# Allegro board pc051b_toplevel_177.brd (continued)
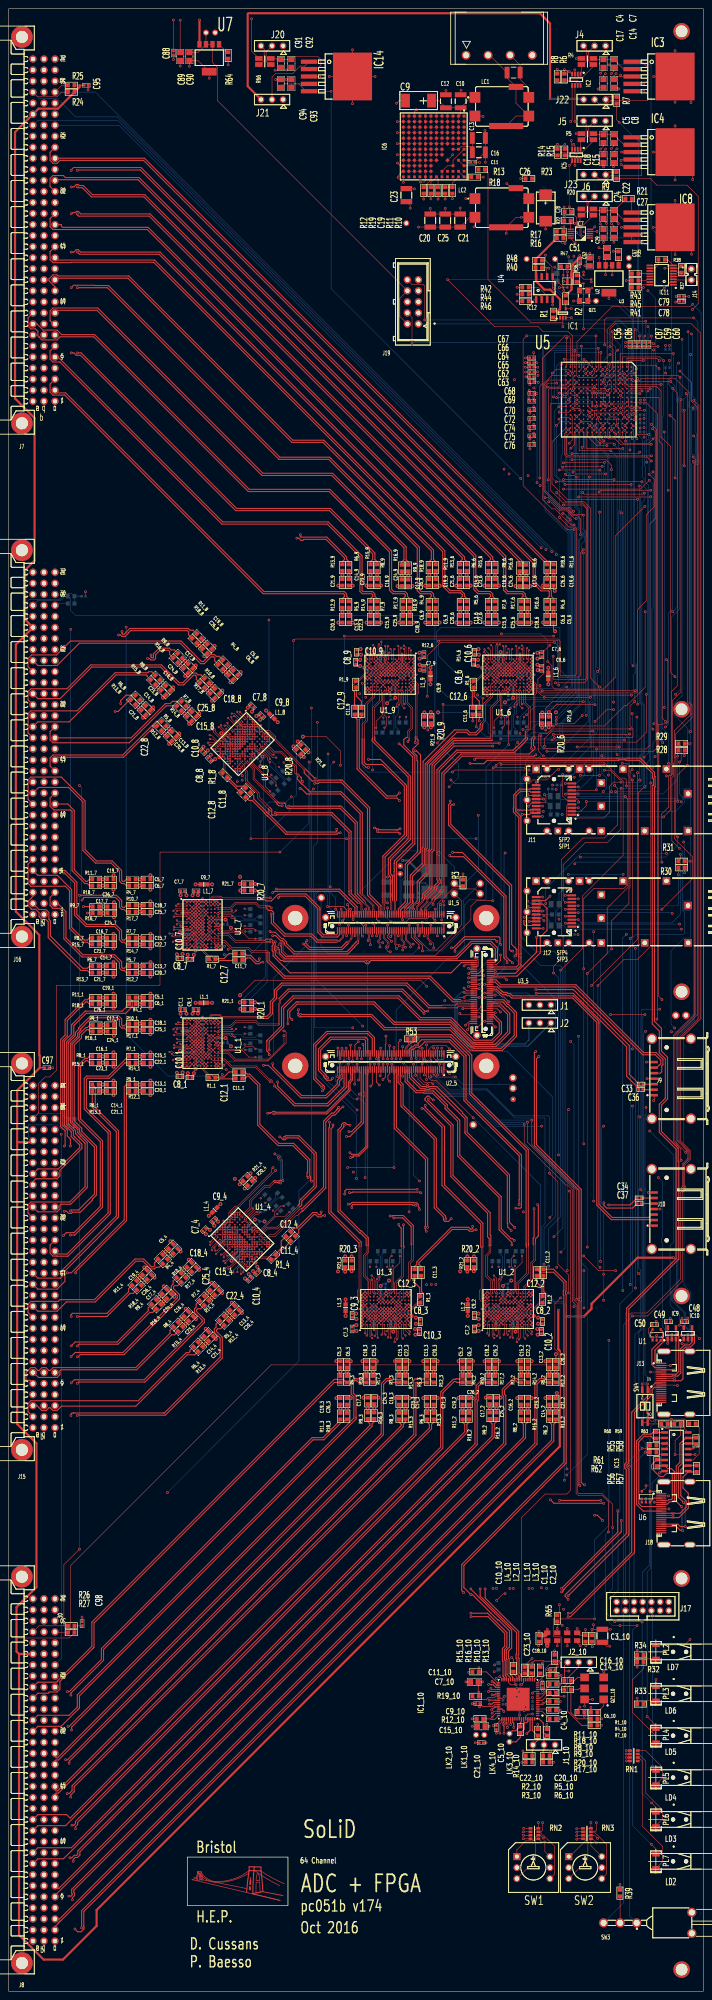
[diagram p0: board, top side]
## Routing (per net, layer and track width the routed paths; a pad name or vN(x,y) marks a point on that pad's centre or on a via; arc(x,y) is an arc through that point) (continued)
  TOP w0.25: C18_4.1 v3(41.5,168.33) ; C24_6.1 v3(116.75,323.35) ; C19_7.1 v3(24.15,256.8) ; C17_3.1 v3(81.75,136.6) ; C13_8.1 v3(39.28,289.4) ; C17_2.1 v3(109.9,136.6) ; C19_3.1 v3(75.5,136.5) ; v3(94.65,305.25) 95,304.9 C9_9.1 ; C8_9.1 80.9,306.3 v3(80.95,306.35) ; v3(41.25,238.5) 41.3,238.45 C8_7.1 ; C10_6.1 107.95,308.6 v3(108.2,308.85) ; C21_1.1 v3(24.15,206.25) ; C23_8.1 v3(35.54,297.68) ; C25_4.1 v3(43.83,166) ; C8_1.1 41.3,211.2 v3(41.25,211.25) ; C9_6.1 122.15,304.9 v3(121.8,305.25) ; C6_2.1 v3(106.95,145) ; C23_6.1 v3(109.6,323.45) ; C21_6.1 v3(103.1,323.45) ; C15_4.1 v3(46.8,163.03) ; C25_3.1 v3(84.8,145) ; C25_2.1 v3(112.95,145) ; v3(47.37,176.18) 47.37,176.68 C9_4.1 ; C16_2.1 v3(117.15,136.5) ; C8_3.1 93.85,153.65 v3(93.8,153.6) ; C6_1.1 v3(32.65,226.25) ; v3(42.35,224.95) 42.7,225.3 C9_1.1 ; C23_9.1 v3(82.45,323.45) ; v3(54.44,164.02) 54.79,164.02 C10_4.1 ; C18_2.1 v3(109.65,145) ; C25_8.1 v3(46.85,296.97) ; C16_6.1 v3(112.9,323.45) ; C25_1.1 v3(32.65,220.25) ; C22_2.1 v3(120.45,145) ; C15_8.1 v3(43.88,294) ; C7_8.1 v3(55.09,295.38) ; C18_9.1 v3(93.25,314.95) ; C13_1.1 v3(32.65,209.55) ; C24_2.1 v3(113.3,136.6) ; C15_3.1 v3(89,145) ; C24_1.1 v3(24.25,219.9) ; C6_8.1 v3(51.09,301.21) ; C14_3.1 v3(95.5,136.5) ; C22_8.1 v3(41.55,291.67) ; C5_8.1 v3(53.43,303.55) ; C19_6.1 125.5,322.55 v3(125.8,322.25) ; C20_4.1 v3(53.73,156.1) ; C19_4.1 v3(31.24,166.57) ; C20_7.1 v3(32.65,233.5) ; C17_9.1 v3(93,323.35) ; v3(108.25,154.7) 107.9,155.05 C9_2.1 ; C5_9.1 v3(99.25,314.95) ; C6_3.1 v3(78.8,145) ; 57.02,165.04 56.35,165.72 v3(56.27,165.72) ; C19_2.1 v3(103.65,136.5) ; C14_6.1 v3(106.4,323.45) ; C26_7.1 v3(24.15,253.5) ; C6_6.1 v3(123.1,314.95) ; C16_9.1 v3(85.75,323.45) ; C18_1.1 v3(32.65,223.55) ; C13_7.1 v3(32.65,236.8) ; C18_7.1 v3(32.65,250.8) ; C5_4.1 v3(37.25,172.58) ; C19_8.1 v3(47.42,309.56) ; C14_9.1 v3(79.25,323.45) ; C15_9.1 v3(85.75,314.95) ; C17_6.1 v3(120.15,323.35) ; v3(42.35,252.2) 42.7,252.55 C9_7.1 ; C5_3.1 v3(75.5,145) ; C26_9.1 v3(95.95,323.45) ; C26_8.1 v3(45.08,307.22) ; C24_9.1 v3(89.6,323.35) ; C26_6.1 v3(123.1,323.45) ; C14_1.1 v3(24.15,209.55) ; C8_2.1 122,153.65 v3(121.95,153.6) ; C5_6.1 125.5,313.3 v3(125.85,312.95) ; C21_9.1 v3(75.95,323.45) ; C22_6.1 v3(109.6,314.95) ; C6_7.1 v3(32.65,253.5) ; C22_7.1 v3(32.65,240) ; C16_3.1 v3(89,136.5) ; C16_1.1 v3(24.15,216.05) ; C22_9.1 v3(82.45,314.95) ; v3(108.1,306.35) 108.05,306.3 C8_6.1 ; C14_2.1 v3(123.65,136.5) ; v3(126.25,137.65) 126.25,136.7 C21_2.1 ; v3(46.57,284.53) 46.57,284.45 C8_8.1 ; v3(38.75,211.35) 39,211.1 C10_1.1 ; C17_7.1 v3(24.25,250.55) ; C95.1 v1(18.3,437.5) ; C10_9.1 80.8,308.6 v3(81.05,308.85) ; C5_7.1 v3(32.65,256.8) ; v3(121.85,151.1) 122.1,151.35 C10_2.1 ; C9_3.1 79.75,155.05 v3(80.1,154.7) ; R3.2 v1(104.65,257.1) ; C19_1.1 v3(24.15,229.55) ; C13_4.1 v3(51.4,158.43) ; C23_3.1 v3(92.3,136.5) ; C13_6.1 v3(106.4,314.95) ; C7_3.1 v3(80.1,151.95) ; C7_9.1 v3(94.65,308) ; 37.23,299.37 v3(37.87,300.01) ; C6_9.1 v3(95.95,314.95) ; C20_6.1 v3(103.1,314.95) ; C19_9.1 v3(99.25,323.45) ; C24_3.1 v3(85.15,136.6) ; C26_1.1 v3(24.15,226.25) ; C15_7.1 v3(32.65,243.3) ; C14_4.1 v3(45.39,152.42) ; C26_3.1 v3(78.8,136.5) ; C5_1.1 v3(32.65,229.55) ; C13_2.1 v3(123.65,145) ; C14_8.1 v3(33.27,295.41) ; C25_9.1 v3(89.95,314.95) ; v3(93.7,151.1) 93.95,151.35 C10_3.1 ; C13_3.1 v3(95.5,145) ; v3(44.87,286.36) 44.87,286.01 C10_8.1 ; C20_2.1 v3(126.05,146.6) ; C20_8.1 v3(36.95,287.07) ; C26_2.1 v3(106.95,136.5) ; v3(57.03,293.43) 57.53,293.43 C9_8.1 ; C25_6.1 v3(117.1,314.95) ; C21_4.1 v3(47.72,150.09) ; C7_7.1 v3(39.6,252.2) ; C22_1.1 v3(32.65,212.75) ; C22_3.1 v3(92.3,145) ; C14_7.1 v3(24.15,236.8) ; v3(38.75,238.6) 39,238.35 C10_7.1 ; C15_1.1 v3(32.65,216.05) ; C20_1.1 v3(32.65,206.25) ; C24_7.1 v3(24.25,247.15) ; C97.1 v1(10.1,212.5) ; C22_4.1 v3(49.13,160.7) ; C25_7.1 v3(32.65,247.5) ; C7_4.1 v3(45.42,174.24) ; C21_3.1 v3(98.8,136.5) ; C15_2.1 v3(117.15,145) ; C5_2.1 v3(103.65,145) ; C18_6.1 v3(120.4,314.95) ; C18_3.1 v3(81.5,145) ; C18_8.1 v3(49.18,299.3) ; C7_2.1 v3(108.25,151.95) ; C23_2.1 v3(120.45,136.5) ; C7_6.1 v3(121.8,308) ; C21_8.1 v3(30.94,293.08) ; C16_7.1 v3(24.15,243.3) ; C15_6.1 v3(112.9,314.95) ; C16_4.1 v3(40.79,157.02) ; C13_9.1 v3(79.25,314.95) ; C17_1.1 v3(24.25,223.3) ; C20_9.1 v3(75.95,314.95) ; C23_7.1 v3(24.15,240) ; C26_4.1 v3(33.58,164.23) ; C7_1.1 v3(39.6,224.95) ; C20_3.1 v3(98.8,145) ; C23_1.1 v3(24.15,212.75) ; C21_7.1 v3(24.15,233.5) ; C23_4.1 v3(43.12,154.69)
  L2 w0.13: 118.4,248.38 SFP4.2 ; SFP4.2 119.4,247.38 ; SFP4.2 119.4,249.38 ; SFP4.2 120.4,248.38 ; LK21.1 48.36,450.7 ; LK21.1 46.74,450.7 ; LK21.1 47.55,449.89 ; LK21.1 47.55,451.51 ; 8.13,400.41 J7.B15 ; J7.B15 8.13,402.47 ; J7.B15 9.16,401.44 ; J7.B15 7.1,401.44 ; 7.1,167.78 J15.B16 ; J15.B16 9.16,167.78 ; J15.B16 8.13,168.81 ; J15.B16 8.13,166.75 ; 5.59,307.71 J16.A25 ; J16.A25 6.62,308.74 ; J16.A25 5.59,309.77 ; J16.A25 4.56,308.74 ; 5.59,174.37 J15.A19 ; J15.A19 5.59,176.43 ; J15.A19 4.56,175.4 ; J15.A19 6.62,175.4 ; J7.B19 8.13,412.63 ; J7.B19 7.1,411.6 ; J7.B19 8.13,410.57 ; J7.B19 9.16,411.6 ; J15.B21 8.13,181.51 ; J15.B21 8.13,179.45 ; J15.B21 9.16,180.48 ; J15.B21 7.1,180.48 ; 5.59,86.75 J8.A31 ; J8.A31 6.62,87.78 ; J8.A31 5.59,88.81 ; J8.A31 4.56,87.78 ; J16.B13 8.13,279.29 ; J16.B13 8.13,277.23 ; J16.B13 9.16,278.26 ; J16.B13 7.1,278.26 ; J7.A30 5.59,440.57 ; J7.A30 6.62,439.54 ; J7.A30 4.56,439.54 ; J7.A30 5.59,438.51 ; 8.13,199.77 J15.B29 ; J15.B29 9.16,200.8 ; J15.B29 7.1,200.8 ; J15.B29 8.13,201.83 ; 7.1,39.52 J8.B12 ; J8.B12 8.13,38.49 ; J8.B12 8.13,40.55 ; J8.B12 9.16,39.52 ; LK18.1 119.3,399.41 ; LK18.1 119.3,397.79 ; LK18.1 118.49,398.6 ; LK18.1 120.11,398.6 ; 8.13,43.57 J8.B14 ; J8.B14 7.1,44.6 ; J8.B14 9.16,44.6 ; J8.B14 8.13,45.63 ; J7.B29 8.13,438.03 ; J7.B29 8.13,435.97 ; J7.B29 9.16,437 ; J7.B29 7.1,437 ; J8.B1 9.16,11.58 ; J8.B1 8.13,12.61 ; J8.B1 8.13,10.55 ; J8.B1 7.1,11.58 ; SFP1.5 151.5,282.3 ; SFP1.5 152.55,281.25 ; SFP1.5 151.5,280.2 ; SFP1.5 150.45,281.25 ; J8.B20 8.13,60.87 ; J8.B20 7.1,59.84 ; J8.B20 9.16,59.84 ; J8.B20 8.13,58.81 ; SFP2.3 119.4,279.93 ; SFP2.3 120.4,278.93 ; SFP2.3 119.4,277.93 ; SFP2.3 118.4,278.93 ; J15.C7 11.7,144.92 ; J15.C7 10.67,143.89 ; J15.C7 9.64,144.92 ; J15.C7 10.67,145.95 ; 10.67,402.95 J7.C16 ; J7.C16 10.67,405.01 ; J7.C16 11.7,403.98 ; J7.C16 9.64,403.98 ; J15.B1 8.13,130.71 ; J15.B1 7.1,129.68 ; J15.B1 9.16,129.68 ; J15.B1 8.13,128.65 ; 5.59,204.85 J15.A31 ; J15.A31 4.56,205.88 ; J15.A31 5.59,206.91 ; J15.A31 6.62,205.88 ; J15.A1 5.59,130.71 ; J15.A1 6.62,129.68 ; J15.A1 5.59,128.65 ; J15.A1 4.56,129.68 ; SFP1.14 125,267 ; SFP1.14 124,268 ; SFP1.14 124,266 ; SFP1.14 123,267 ; J15.A7 6.62,144.92 ; J15.A7 5.59,145.95 ; J15.A7 4.56,144.92 ; J15.A7 5.59,143.89 ; J15.B4 9.16,137.3 ; J15.B4 7.1,137.3 ; J15.B4 8.13,136.27 ; J15.B4 8.13,138.33 ; J8.B17 9.16,52.22 ; J8.B17 7.1,52.22 ; J8.B17 8.13,53.25 ; J8.B17 8.13,51.19 ; 9.64,381.12 J7.C7 ; J7.C7 10.67,382.15 ; J7.C7 10.67,380.09 ; J7.C7 11.7,381.12 ; 9.64,49.68 J8.C16 ; J8.C16 10.67,48.65 ; J8.C16 11.7,49.68 ; J8.C16 10.67,50.71 ; J16.B21 8.13,299.61 ; J16.B21 8.13,297.55 ; J16.B21 9.16,298.58 ; J16.B21 7.1,298.58 ; 9.64,278.26 J16.C13 ; J16.C13 10.67,277.23 ; J16.C13 10.67,279.29 ; J16.C13 11.7,278.26 ; 7.1,80.16 J8.B28 ; J8.B28 9.16,80.16 ; J8.B28 8.13,81.19 ; J8.B28 8.13,79.13 ; J15.C31 11.7,205.88 ; J15.C31 10.67,206.91 ; J15.C31 9.64,205.88 ; J15.C31 10.67,204.85 ; J8.A10 5.59,35.47 ; J8.A10 6.62,34.44 ; J8.A10 4.56,34.44 ; J8.A10 5.59,33.41 ; SFP3.2 147.55,241.25 ; SFP3.2 145.45,241.25 ; SFP3.2 146.5,242.3 ; SFP3.2 146.5,240.2 ; 9.64,152.54 J15.C10 ; J15.C10 10.67,153.57 ; J15.C10 11.7,152.54 ; J15.C10 10.67,151.51 ; 8.13,284.85 J16.B16 ; J16.B16 7.1,285.88 ; J16.B16 9.16,285.88 ; J16.B16 8.13,286.91 ; J10.10 158.52,170.8 ; J10.10 155.76,170.8 ; J10.10 157.14,172.18 ; J10.10 157.14,169.42 ; J16.B27 8.13,314.85 ; J16.B27 8.13,312.79 ; J16.B27 7.1,313.82 ; J16.B27 9.16,313.82 ; 150.93,116.37 J18.20 ; J18.20 150.93,118.13 ; J18.20 149.15,117.25 ; J18.20 152.71,117.25 ; 156.5,240.2 SFP3.1 ; SFP3.1 156.5,242.3 ; SFP3.1 157.55,241.25 ; SFP3.1 155.45,241.25 ; 8.13,272.15 J16.B11 ; J16.B11 7.1,273.18 ; J16.B11 8.13,274.21 ; J16.B11 9.16,273.18 ; J16.A28 5.59,317.39 ; J16.A28 4.56,316.36 ; J16.A28 5.59,315.33 ; J16.A28 6.62,316.36 ; J8.A1 5.59,12.61 ; J8.A1 5.59,10.55 ; J8.A1 6.62,11.58 ; J8.A1 4.56,11.58 ; J18.23 158.38,102.75 ; J18.23 156.9,101.87 ; J18.23 155.42,102.75 ; J18.23 156.9,103.63 ; 8.13,56.27 J8.B19 ; J8.B19 7.1,57.3 ; J8.B19 8.13,58.33 ; J8.B19 9.16,57.3 ; 146.76,200.8 J9.8 ; J9.8 148.14,199.42 ; J9.8 148.14,202.18 ; J9.8 149.52,200.8 ; 9.64,426.84 J7.C25 ; J7.C25 11.7,426.84 ; J7.C25 10.67,425.81 ; J7.C25 10.67,427.87 ; J9.11 158.52,219.2 ; J9.11 157.14,220.58 ; J9.11 155.76,219.2 ; J9.11 157.14,217.82 ; J8.C7 11.7,26.82 ; J8.C7 10.67,27.85 ; J8.C7 9.64,26.82 ; J8.C7 10.67,25.79 ; J8.B11 9.16,36.98 ; J8.B11 8.13,35.95 ; J8.B11 7.1,36.98 ; J8.B11 8.13,38.01 ; LK19.1 107,200.39 ; LK19.1 107,198.41 ; LK19.1 106.01,199.4 ; LK19.1 107.99,199.4 ; J7.B31 8.13,443.11 ; J7.B31 9.16,442.08 ; J7.B31 7.1,442.08 ; J7.B31 8.13,441.05 ; J7.B12 8.13,394.85 ; J7.B12 9.16,393.82 ; J7.B12 8.13,392.79 ; J7.B12 7.1,393.82 ; J7.B6 9.16,378.58 ; J7.B6 8.13,377.55 ; J7.B6 8.13,379.61 ; J7.B6 7.1,378.58 ; J7.C30 10.67,440.57 ; J7.C30 10.67,438.51 ; J7.C30 11.7,439.54 ; J7.C30 9.64,439.54 ; 10.67,189.61 J15.C25 ; J15.C25 10.67,191.67 ; J15.C25 9.64,190.64 ; J15.C25 11.7,190.64 ; 5.59,197.23 J15.A28 ; J15.A28 5.59,199.29 ; J15.A28 4.56,198.26 ; J15.A28 6.62,198.26 ; LK2_5.1 113.1,212.95 ; LK2_5.1 106.9,212.95 ; LK2_5.1 110,209.85 ; LK2_5.1 110,216.05 ; 5.59,79.13 J8.A28 ; J8.A28 4.56,80.16 ; J8.A28 6.62,80.16 ; J8.A28 5.59,81.19 ; J15.C4 11.7,137.3 ; J15.C4 10.67,138.33 ; J15.C4 9.64,137.3 ; J15.C4 10.67,136.27 ; J15.C28 10.67,199.29 ; J15.C28 11.7,198.26 ; J15.C28 10.67,197.23 ; J15.C28 9.64,198.26 ; J7.A7 5.59,382.15 ; J7.A7 6.62,381.12 ; J7.A7 5.59,380.09 ; J7.A7 4.56,381.12 ; 7.1,47.14 J8.B15 ; J8.B15 9.16,47.14 ; J8.B15 8.13,48.17 ; J8.B15 8.13,46.11 ; J15.B30 9.16,203.34 ; J15.B30 8.13,202.31 ; J15.B30 8.13,204.37 ; J15.B30 7.1,203.34 ; 8.13,204.85 J15.B31 ; J15.B31 9.16,205.88 ; J15.B31 8.13,206.91 ; J15.B31 7.1,205.88 ; J15.B28 8.13,199.29 ; J15.B28 9.16,198.26 ; J15.B28 8.13,197.23 ; J15.B28 7.1,198.26 ; 148.14,169.42 J10.8 ; J10.8 149.52,170.8 ; J10.8 148.14,172.18 ; J10.8 146.76,170.8 ; 157.14,187.82 J10.11 ; J10.11 158.52,189.2 ; J10.11 155.76,189.2 ; J10.11 157.14,190.58 ; 4.56,301.12 J16.A22 ; J16.A22 6.62,301.12 ; J16.A22 5.59,302.15 ; J16.A22 5.59,300.09 ; 10.67,10.55 J8.C1 ; J8.C1 9.64,11.58 ; J8.C1 11.7,11.58 ; J8.C1 10.67,12.61 ; J7.C28 11.7,434.46 ; J7.C28 10.67,433.43 ; J7.C28 9.64,434.46 ; J7.C28 10.67,435.49 ; J8.C31 11.7,87.78 ; J8.C31 10.67,88.81 ; J8.C31 9.64,87.78 ; J8.C31 10.67,86.75 ; J7.A13 5.59,397.39 ; J7.A13 4.56,396.36 ; J7.A13 6.62,396.36 ; J7.A13 5.59,395.33 ; 7.1,157.62 J15.B12 ; J15.B12 8.13,156.59 ; J15.B12 8.13,158.65 ; J15.B12 9.16,157.62 ; 130.45,255.5 SFP3.7 ; SFP3.7 132.55,255.5 ; SFP3.7 131.5,256.55 ; SFP3.7 131.5,254.45 ; J8.A22 5.59,65.95 ; J8.A22 5.59,63.89 ; J8.A22 4.56,64.92 ; J8.A22 6.62,64.92 ; 8.13,428.35 J7.B26 ; J7.B26 9.16,429.38 ; J7.B26 8.13,430.41 ; J7.B26 7.1,429.38 ; J7.B27 8.13,432.95 ; J7.B27 7.1,431.92 ; J7.B27 8.13,430.89 ; J7.B27 9.16,431.92 ; J7.C13 11.7,396.36 ; J7.C13 10.67,397.39 ; J7.C13 9.64,396.36 ; J7.C13 10.67,395.33 ; 125.85,55.76 J1_10.1 ; J1_10.1 125.85,57.64 ; J1_10.1 124.91,56.7 ; J1_10.1 126.79,56.7 ; J16.B20 9.16,296.04 ; J16.B20 8.13,297.07 ; J16.B20 8.13,295.01 ; J16.B20 7.1,296.04 ; 10.67,315.33 J16.C28 ; J16.C28 10.67,317.39 ; J16.C28 9.64,316.36 ; J16.C28 11.7,316.36 ; 7.1,64.92 J8.B22 ; J8.B22 8.13,63.89 ; J8.B22 8.13,65.95 ; J8.B22 9.16,64.92 ; 8.13,322.95 J16.B31 ; J16.B31 9.16,323.98 ; J16.B31 8.13,325.01 ; J16.B31 7.1,323.98 ; J15.B11 8.13,156.11 ; J15.B11 8.13,154.05 ; J15.B11 9.16,155.08 ; J15.B11 7.1,155.08 ; 8.13,420.73 J7.B23 ; J7.B23 7.1,421.76 ; J7.B23 9.16,421.76 ; J7.B23 8.13,422.79 ; 8.13,28.33 J8.B8 ; J8.B8 7.1,29.36 ; J8.B8 9.16,29.36 ; J8.B8 8.13,30.39 ; J8.C30 11.7,85.24 ; J8.C30 10.67,84.21 ; J8.C30 9.64,85.24 ; J8.C30 10.67,86.27 ; J15.C13 11.7,160.16 ; J15.C13 9.64,160.16 ; J15.C13 10.67,161.19 ; J15.C13 10.67,159.13 ; 156.5,265.95 SFP1.1 ; SFP1.1 157.55,267 ; SFP1.1 155.45,267 ; SFP1.1 156.5,268.05 ; 9.64,129.68 J15.C1 ; J15.C1 11.7,129.68 ; J15.C1 10.67,128.65 ; J15.C1 10.67,130.71 ; J8.A13 6.62,42.06 ; J8.A13 4.56,42.06 ; J8.A13 5.59,43.09 ; J8.A13 5.59,41.03 ; 106.9,246.95 LK4_5.1 ; LK4_5.1 110,250.05 ; LK4_5.1 113.1,246.95 ; LK4_5.1 110,243.85 ; 8.13,181.99 J15.B22 ; J15.B22 8.13,184.05 ; J15.B22 7.1,183.02 ; J15.B22 9.16,183.02 ; LK9.1 154.64,224.55 ; LK9.1 153.65,225.54 ; LK9.1 153.65,223.56 ; LK9.1 152.66,224.55 ; J2.2 122.36,223.74 ; J2.2 123.3,222.8 ; J2.2 122.36,221.86 ; J2.2 121.42,222.8 ; 156.9,131.87 J13.23 ; J13.23 158.38,132.75 ; J13.23 155.42,132.75 ; J13.23 156.9,133.63 ; SFP1.15 133.7,282.25 ; SFP1.15 132.7,281.25 ; SFP1.15 134.7,281.25 ; SFP1.15 133.7,280.25 ; J16.B23 9.16,303.66 ; J16.B23 8.13,302.63 ; J16.B23 8.13,304.69 ; J16.B23 7.1,303.66 ; 10.67,269.61 J16.C10 ; J16.C10 11.7,270.64 ; J16.C10 10.67,271.67 ; J16.C10 9.64,270.64 ; LK2_10.1 108.46,59 ; LK2_10.1 106.84,59 ; LK2_10.1 107.65,59.81 ; LK2_10.1 107.65,58.19 ; 4.56,263.02 J16.A7 ; J16.A7 6.62,263.02 ; J16.A7 5.59,261.99 ; J16.A7 5.59,264.05 ; 7.1,293.5 J16.B19 ; J16.B19 8.13,292.47 ; J16.B19 9.16,293.5 ; J16.B19 8.13,294.53 ; 4.56,434.46 J7.A28 ; J7.A28 5.59,433.43 ; J7.A28 6.62,434.46 ; J7.A28 5.59,435.49 ; J16.A13 5.59,279.29 ; J16.A13 5.59,277.23 ; J16.A13 4.56,278.26 ; J16.A13 6.62,278.26 ; 9.64,34.44 J8.C10 ; J8.C10 11.7,34.44 ; J8.C10 10.67,33.41 ; J8.C10 10.67,35.47 ; J7.A19 6.62,411.6 ; J7.A19 4.56,411.6 ; J7.A19 5.59,410.57 ; J7.A19 5.59,412.63 ; 7.1,373.5 J7.B4 ; J7.B4 8.13,374.53 ; J7.B4 9.16,373.5 ; J7.B4 8.13,372.47 ; 9.64,175.4 J15.C19 ; J15.C19 10.67,176.43 ; J15.C19 10.67,174.37 ; J15.C19 11.7,175.4 ; 7.1,301.12 J16.B22 ; J16.B22 9.16,301.12 ; J16.B22 8.13,300.09 ; J16.B22 8.13,302.15 ; 10.67,418.19 J7.C22 ; J7.C22 9.64,419.22 ; J7.C22 10.67,420.25 ; J7.C22 11.7,419.22 ; 7.1,383.66 J7.B8 ; J7.B8 9.16,383.66 ; J7.B8 8.13,382.63 ; J7.B8 8.13,384.69 ; J16.B24 8.13,307.23 ; J16.B24 9.16,306.2 ; J16.B24 8.13,305.17 ; J16.B24 7.1,306.2 ; 135.45,241.25 SFP3.3 ; SFP3.3 136.5,242.3 ; SFP3.3 136.5,240.2 ; SFP3.3 137.55,241.25 ; J7.B32 8.13,445.65 ; J7.B32 7.1,444.62 ; J7.B32 9.16,444.62 ; J7.B32 8.13,443.59 ; 8.13,274.69 J16.B12 ; J16.B12 9.16,275.72 ; J16.B12 7.1,275.72 ; J16.B12 8.13,276.75 ; 10.67,372.47 J7.C4 ; J7.C4 11.7,373.5 ; J7.C4 9.64,373.5 ; J7.C4 10.67,374.53 ; J7.B5 9.16,376.04 ; J7.B5 7.1,376.04 ; J7.B5 8.13,375.01 ; J7.B5 8.13,377.07 ; 121.42,226.95 J1.2 ; J1.2 122.36,226.01 ; J1.2 123.3,226.95 ; J1.2 122.36,227.89 ; 7.1,270.64 J16.B10 ; J16.B10 9.16,270.64 ; J16.B10 8.13,269.61 ; J16.B10 8.13,271.67 ; 124,240.25 SFP3.14 ; SFP3.14 125,241.25 ; SFP3.14 124,242.25 ; SFP3.14 123,241.25 ; J15.B24 9.16,188.1 ; J15.B24 7.1,188.1 ; J15.B24 8.13,187.07 ; J15.B24 8.13,189.13 ; 8.13,131.19 J15.B2 ; J15.B2 8.13,133.25 ; J15.B2 7.1,132.22 ; J15.B2 9.16,132.22 ; 118.4,274.13 SFP2.2 ; SFP2.2 119.4,273.13 ; SFP2.2 119.4,275.13 ; SFP2.2 120.4,274.13 ; 9.64,308.74 J16.C25 ; J16.C25 11.7,308.74 ; J16.C25 10.67,309.77 ; J16.C25 10.67,307.71 ; 8.13,13.09 J8.B2 ; J8.B2 7.1,14.12 ; J8.B2 8.13,15.15 ; J8.B2 9.16,14.12 ; 7.1,439.54 J7.B30 ; J7.B30 8.13,438.51 ; J7.B30 9.16,439.54 ; J7.B30 8.13,440.57 ; SFP1.9 157.55,275.58 ; SFP1.9 156.5,274.53 ; SFP1.9 156.5,276.63 ; SFP1.9 155.45,275.58 ; J8.B18 8.13,55.79 ; J8.B18 8.13,53.73 ; J8.B18 7.1,54.76 ; J8.B18 9.16,54.76 ; J16.B18 8.13,291.99 ; J16.B18 7.1,290.96 ; J16.B18 9.16,290.96 ; J16.B18 8.13,289.93 ; J7.B10 9.16,388.74 ; J7.B10 7.1,388.74 ; J7.B10 8.13,387.71 ; J7.B10 8.13,389.77 ; J16.B14 8.13,281.83 ; J16.B14 7.1,280.8 ; J16.B14 9.16,280.8 ; J16.B14 8.13,279.77 ; J2_10.1 134.79,75.7 ; J2_10.1 133.85,76.64 ; J2_10.1 133.85,74.76 ; J2_10.1 132.91,75.7 ; 7.1,19.2 J8.B4 ; J8.B4 8.13,18.17 ; J8.B4 9.16,19.2 ; J8.B4 8.13,20.23 ; J5.1 138.44,430.35 ; J5.1 137.5,429.41 ; J5.1 136.56,430.35 ; J5.1 137.5,431.29 ; 150.93,101.87 J18.21 ; J18.21 152.71,102.75 ; J18.21 150.93,103.63 ; J18.21 149.15,102.75 ; J16.A1 5.59,248.81 ; J16.A1 4.56,247.78 ; J16.A1 6.62,247.78 ; J16.A1 5.59,246.75 ; 7.1,368.42 J7.B2 ; J7.B2 8.13,367.39 ; J7.B2 8.13,369.45 ; J7.B2 9.16,368.42 ; 5.59,441.05 J7.A31 ; J7.A31 6.62,442.08 ; J7.A31 4.56,442.08 ; J7.A31 5.59,443.11 ; J6.1 137.5,413.94 ; J6.1 136.56,413 ; J6.1 138.44,413 ; J6.1 137.5,412.06 ; J7.B9 9.16,386.2 ; J7.B9 7.1,386.2 ; J7.B9 8.13,387.23 ; J7.B9 8.13,385.17 ; J8.C22 10.67,65.95 ; J8.C22 9.64,64.92 ; J8.C22 11.7,64.92 ; J8.C22 10.67,63.89 ; 10.67,410.57 J7.C19 ; J7.C19 10.67,412.63 ; J7.C19 11.7,411.6 ; J7.C19 9.64,411.6 ; J8.A30 6.62,85.24 ; J8.A30 5.59,86.27 ; J8.A30 5.59,84.21 ; J8.A30 4.56,85.24 ; SFP3.11 137.55,252.33 ; SFP3.11 136.5,253.38 ; SFP3.11 136.5,251.28 ; SFP3.11 135.45,252.33 ; J7.C1 11.7,365.88 ; J7.C1 10.67,366.91 ; J7.C1 10.67,364.85 ; J7.C1 9.64,365.88 ; 8.13,246.75 J16.B1 ; J16.B1 7.1,247.78 ; J16.B1 8.13,248.81 ; J16.B1 9.16,247.78 ; J8.A4 5.59,20.23 ; J8.A4 5.59,18.17 ; J8.A4 4.56,19.2 ; J8.A4 6.62,19.2 ; J16.A31 6.62,323.98 ; J16.A31 5.59,322.95 ; J16.A31 4.56,323.98 ; J16.A31 5.59,325.01 ; J7.B16 8.13,405.01 ; J7.B16 7.1,403.98 ; J7.B16 8.13,402.95 ; J7.B16 9.16,403.98 ; J7.B28 8.13,435.49 ; J7.B28 8.13,433.43 ; J7.B28 9.16,434.46 ; J7.B28 7.1,434.46 ; 62.9,246.95 LK3_5.1 ; LK3_5.1 66,243.85 ; LK3_5.1 69.1,246.95 ; LK3_5.1 66,250.05 ; 129,266 SFP1.13 ; SFP1.13 129,268 ; SFP1.13 128,267 ; SFP1.13 130,267 ; 119.4,268.33 SFP2.1 ; SFP2.1 118.4,269.33 ; SFP2.1 120.4,269.33 ; SFP2.1 119.4,270.33 ; 8.13,171.83 J15.B18 ; J15.B18 9.16,172.86 ; J15.B18 7.1,172.86 ; J15.B18 8.13,173.89 ; 145.45,267 SFP1.2 ; SFP1.2 147.55,267 ; SFP1.2 146.5,268.05 ; SFP1.2 146.5,265.95 ; 147.11,87.6 J17.9 ; J17.9 148.05,88.54 ; J17.9 148.99,87.6 ; 9.64,293.5 J16.C19 ; J16.C19 11.7,293.5 ; J16.C19 10.67,294.53 ; J16.C19 10.67,292.47 ; J8.B10 8.13,35.47 ; J8.B10 9.16,34.44 ; J8.B10 8.13,33.41 ; J8.B10 7.1,34.44 ; J17.11 150.05,88.54 ; J17.11 150.05,86.66 ; J17.11 150.99,87.6 ; J17.11 149.11,87.6 ; 133.7,240.25 SFP3.12 ; SFP3.12 133.7,242.25 ; SFP3.12 134.7,241.25 ; SFP3.12 132.7,241.25 ; J15.B5 8.13,140.87 ; J15.B5 9.16,139.84 ; J15.B5 8.13,138.81 ; J15.B5 7.1,139.84 ; 7.1,252.86 J16.B3 ; J16.B3 8.13,253.89 ; J16.B3 8.13,251.83 ; J16.B3 9.16,252.86 ; J15.B17 8.13,171.35 ; J15.B17 8.13,169.29 ; J15.B17 9.16,170.32 ; J15.B17 7.1,170.32 ; J15.B25 9.16,190.64 ; J15.B25 8.13,191.67 ; J15.B25 8.13,189.61 ; J15.B25 7.1,190.64 ; J7.A4 6.62,373.5 ; J7.A4 4.56,373.5 ; J7.A4 5.59,372.47 ; J7.A4 5.59,374.53 ; 142.85,398.04 LK15.1 ; LK15.1 142.85,399.66 ; LK15.1 142.04,398.85 ; LK15.1 143.66,398.85 ; J17.7 146.05,88.54 ; J17.7 146.99,87.6 ; J17.7 145.11,87.6 ; J17.7 146.05,86.66 ; J8.B24 8.13,71.03 ; J8.B24 9.16,70 ; J8.B24 8.13,68.97 ; J8.B24 7.1,70 ; J7.B17 8.13,407.55 ; J7.B17 7.1,406.52 ; J7.B17 9.16,406.52 ; J7.B17 8.13,405.49 ; 9.64,183.02 J15.C22 ; J15.C22 10.67,181.99 ; J15.C22 10.67,184.05 ; J15.C22 11.7,183.02 ; J7.B20 8.13,415.17 ; J7.B20 9.16,414.14 ; J7.B20 8.13,413.11 ; J7.B20 7.1,414.14 ; 8.13,74.05 J8.B26 ; J8.B26 9.16,75.08 ; J8.B26 8.13,76.11 ; J8.B26 7.1,75.08 ; 8.13,261.99 J16.B7 ; J16.B7 8.13,264.05 ; J16.B7 7.1,263.02 ; J16.B7 9.16,263.02 ; 120.45,281.25 SFP1.8 ; SFP1.8 121.5,282.3 ; SFP1.8 122.55,281.25 ; SFP1.8 121.5,280.2 ; 119.4,252.18 SFP4.3 ; SFP4.3 119.4,254.18 ; SFP4.3 120.4,253.18 ; SFP4.3 118.4,253.18 ; J15.A4 5.59,138.33 ; J15.A4 6.62,137.3 ; J15.A4 5.59,136.27 ; J15.A4 4.56,137.3 ; 135.45,272.68 SFP1.10 ; SFP1.10 136.5,273.73 ; SFP1.10 136.5,271.63 ; SFP1.10 137.55,272.68 ; J8.B32 8.13,91.35 ; J8.B32 9.16,90.32 ; J8.B32 8.13,89.29 ; J8.B32 7.1,90.32 ; J15.C30 10.67,204.37 ; J15.C30 10.67,202.31 ; J15.C30 9.64,203.34 ; J15.C30 11.7,203.34 ; J16.A10 5.59,271.67 ; J16.A10 6.62,270.64 ; J16.A10 4.56,270.64 ; J16.A10 5.59,269.61 ; 156.9,116.37 J18.22 ; J18.22 158.38,117.25 ; J18.22 155.42,117.25 ; J18.22 156.9,118.13 ; 7.1,147.46 J15.B8 ; J15.B8 8.13,146.43 ; J15.B8 8.13,148.49 ; J15.B8 9.16,147.46 ; 8.13,264.53 J16.B8 ; J16.B8 8.13,266.59 ; J16.B8 7.1,265.56 ; J16.B8 9.16,265.56 ; SFP3.17 124,256.5 ; SFP3.17 125,255.5 ; SFP3.17 124,254.5 ; SFP3.17 123,255.5 ; J16.B25 9.16,308.74 ; J16.B25 8.13,307.71 ; J16.B25 8.13,309.77 ; J16.B25 7.1,308.74 ; J4.1 137.5,448.59 ; J4.1 138.44,447.65 ; J4.1 136.56,447.65 ; J4.1 137.5,446.71 ; J16.B28 8.13,317.39 ; J16.B28 8.13,315.33 ; J16.B28 9.16,316.36 ; J16.B28 7.1,316.36 ; 126.5,240.3 SFP3.4 ; SFP3.4 127.45,241.25 ; SFP3.4 125.55,241.25 ; SFP3.4 126.5,242.2 ; 142.05,86.66 J17.3 ; J17.3 142.05,88.54 ; J17.3 141.11,87.6 ; J17.3 142.99,87.6 ; 5.59,151.51 J15.A10 ; J15.A10 6.62,152.54 ; J15.A10 4.56,152.54 ; J15.A10 5.59,153.57 ; 143.11,87.6 J17.5 ; J17.5 144.99,87.6 ; J17.5 144.05,88.54 ; J17.5 144.05,86.66 ; J16.C7 10.67,264.05 ; J16.C7 10.67,261.99 ; J16.C7 9.64,263.02 ; J16.C7 11.7,263.02 ; 4.56,203.34 J15.A30 ; J15.A30 5.59,202.31 ; J15.A30 5.59,204.37 ; J15.A30 6.62,203.34 ; J16.B4 9.16,255.4 ; J16.B4 8.13,254.37 ; J16.B4 7.1,255.4 ; J16.B4 8.13,256.43 ; 94.37,385.18 J19.3 ; J19.3 94.37,387.24 ; J19.3 93.34,386.21 ; J19.3 95.4,386.21 ; SFP3.10 136.5,247.98 ; SFP3.10 136.5,245.88 ; SFP3.10 135.45,246.93 ; SFP3.10 137.55,246.93 ; 8.13,207.39 J15.B32 ; J15.B32 7.1,208.42 ; J15.B32 9.16,208.42 ; J15.B32 8.13,209.45 ; J8.B16 8.13,50.71 ; J8.B16 9.16,49.68 ; J8.B16 8.13,48.65 ; J8.B16 7.1,49.68 ; 156.5,248.78 SFP3.9 ; SFP3.9 156.5,250.88 ; SFP3.9 157.55,249.83 ; SFP3.9 155.45,249.83 ; J7.B1 8.13,366.91 ; J7.B1 9.16,365.88 ; J7.B1 7.1,365.88 ; J7.B1 8.13,364.85 ; 62.9,212.95 LK1_5.1 ; LK1_5.1 66,216.05 ; LK1_5.1 66,209.85 ; LK1_5.1 69.1,212.95 ; J8.B23 8.13,68.49 ; J8.B23 9.16,67.46 ; J8.B23 7.1,67.46 ; J8.B23 8.13,66.43 ; 120.45,255.5 SFP3.8 ; SFP3.8 122.55,255.5 ; SFP3.8 121.5,254.45 ; SFP3.8 121.5,256.55 ; J15.B23 9.16,185.56 ; J15.B23 8.13,186.59 ; J15.B23 7.1,185.56 ; J15.B23 8.13,184.53 ; J7.A16 5.59,405.01 ; J7.A16 4.56,403.98 ; J7.A16 5.59,402.95 ; J7.A16 6.62,403.98 ; 7.1,396.36 J7.B13 ; J7.B13 8.13,395.33 ; J7.B13 8.13,397.39 ; J7.B13 9.16,396.36 ; J8.C19 10.67,58.33 ; J8.C19 9.64,57.3 ; J8.C19 11.7,57.3 ; J8.C19 10.67,56.27 ; 132.7,267 SFP1.12 ; SFP1.12 133.7,268 ; SFP1.12 133.7,266 ; SFP1.12 134.7,267 ; 8.13,397.87 J7.B14 ; J7.B14 7.1,398.9 ; J7.B14 9.16,398.9 ; J7.B14 8.13,399.93 ; 123,281.25 SFP1.17 ; SFP1.17 124,280.25 ; SFP1.17 124,282.25 ; SFP1.17 125,281.25 ; J15.B27 9.16,195.72 ; J15.B27 7.1,195.72 ; J15.B27 8.13,196.75 ; J15.B27 8.13,194.69 ; 7.1,318.9 J16.B29 ; J16.B29 9.16,318.9 ; J16.B29 8.13,317.87 ; J16.B29 8.13,319.93 ; 7.1,134.76 J15.B3 ; J15.B3 9.16,134.76 ; J15.B3 8.13,133.73 ; J15.B3 8.13,135.79 ; SFP1.11 137.55,278.08 ; SFP1.11 135.45,278.08 ; SFP1.11 136.5,279.13 ; SFP1.11 136.5,277.03 ; 157.14,199.42 J9.10 ; J9.10 155.76,200.8 ; J9.10 157.14,202.18 ; J9.10 158.52,200.8 ; J15.B6 8.13,143.41 ; J15.B6 9.16,142.38 ; J15.B6 7.1,142.38 ; J15.B6 8.13,141.35 ; 4.56,183.02 J15.A22 ; J15.A22 5.59,184.05 ; J15.A22 6.62,183.02 ; J15.A22 5.59,181.99 ; J9.9 149.52,219.2 ; J9.9 146.76,219.2 ; J9.9 148.14,220.58 ; J9.9 148.14,217.82 ; J16.C30 11.7,321.44 ; J16.C30 10.67,320.41 ; J16.C30 10.67,322.47 ; J16.C30 9.64,321.44 ; J7.B7 8.13,382.15 ; J7.B7 8.13,380.09 ; J7.B7 7.1,381.12 ; J7.B7 9.16,381.12 ; J16.B2 8.13,251.35 ; J16.B2 8.13,249.29 ; J16.B2 7.1,250.32 ; J16.B2 9.16,250.32 ; 8.13,418.19 J7.B22 ; J7.B22 7.1,419.22 ; J7.B22 8.13,420.25 ; J7.B22 9.16,419.22 ; J16.B15 9.16,283.34 ; J16.B15 8.13,284.37 ; J16.B15 8.13,282.31 ; J16.B15 7.1,283.34 ; 9.64,255.4 J16.C4 ; J16.C4 10.67,254.37 ; J16.C4 10.67,256.43 ; J16.C4 11.7,255.4 ; 4.56,426.84 J7.A25 ; J7.A25 6.62,426.84 ; J7.A25 5.59,427.87 ; J7.A25 5.59,425.81 ; J3.1 106.54,445.5 ; J3.1 105.35,444.31 ; J3.1 104.16,445.5 ; J3.1 105.35,446.69 ; 7.1,26.82 J8.B7 ; J8.B7 8.13,27.85 ; J8.B7 9.16,26.82 ; J8.B7 8.13,25.79 ; J15.B15 9.16,165.24 ; J15.B15 8.13,164.21 ; J15.B15 7.1,165.24 ; J15.B15 8.13,166.27 ; J7.A1 6.62,365.88 ; J7.A1 5.59,366.91 ; J7.A1 4.56,365.88 ; J7.A1 5.59,364.85 ; 5.59,292.47 J16.A19 ; J16.A19 4.56,293.5 ; J16.A19 6.62,293.5 ; J16.A19 5.59,294.53 ; J16.C16 11.7,285.88 ; J16.C16 10.67,284.85 ; J16.C16 10.67,286.91 ; J16.C16 9.64,285.88 ; 8.13,310.25 J16.B26 ; J16.B26 9.16,311.28 ; J16.B26 7.1,311.28 ; J16.B26 8.13,312.31 ; J8.A19 6.62,57.3 ; J8.A19 5.59,56.27 ; J8.A19 4.56,57.3 ; J8.A19 5.59,58.33 ; 5.59,284.85 J16.A16 ;